# KiCad board Piunora.kicad_pcb (continued)
## Routing (per net, layer and track width the routed paths; a pad name or vN(x,y) marks a point on that pad's centre or on a via; arc(x,y) is an arc through that point) (continued)
SD_DAT1: length 51.3
  Top w0.147: U$13.P8 23.21,15.96 24.41,17.15 30.89,17.15 31.5,17.75 33.22,17.75 34.82,19.35 34.82,37.08 40.06,42.32 43.08,42.32 43.81,41.58 43.81,38.79 44.22,38.38 44.22,34.57 44.4,34.39 U$2.67
SD_DAT2: length 58.8
  Top w0.147: v1(34.26,19.86) 34.26,37.08 39.8,42.62 43.23,42.62 44.09,41.76 44.09,38.96 44.53,38.53 44.53,34.87 44.61,34.79 U$2.69 ; U$13.P1 30.99,15.02 30.99,12.55 33.6,9.93 36.27,9.93 36.65,10.31 v1(36.65,19.71)
  In1.Cu w0.147: v1(34.26,19.86) 34.42,19.71 v1(36.65,19.71)
SD_DAT3: length 58.2
  Top w0.147: U$2.61 44.43,33.19 43.61,34.01 43.61,38.02 43.21,38.43 43.21,41.33 42.8,41.73 40.46,41.73 36.53,37.8 36.53,24.79 38.68,22.64 38.68,20.06 37.03,18.41 37.03,10.25 36.32,9.55 32.99,9.55 30.02,12.53 30.02,14.89 U$13.P2
SDA0: length 57.3
  Top w0.127: v1(31.45,29.26) 31.34,29.16 v1(31.34,19.91) ; v1(33.63,11.18) 34.04,11.58 34.04,16.79 35.61,18.36 v1(35.89,18.36) ; v1(38.11,36.04) 38.22,36.04 39.37,37.19 U$2.82
  In1.Cu w0.127: v1(35.89,18.36) 33.48,18.36 31.93,19.91 v1(31.34,19.91) ; v1(38.11,36.04) 31.45,29.37 v1(31.45,29.26) ; J1.14 18.49,6.53 18.77,6.25 31.7,6.25 33.43,7.98 33.43,10.97 v1(33.63,11.18)
SDA1: length 38.7
  Top w0.127: v1(40.08,32.46) 40.15,32.39 U$2.58 ; v1(40.82,36.09) 40.82,35.18 v1(41.02,34.98) ; R4.2 45.51,56.41 46.33,56.41 47,55.75 CONN1.3 49.03,55.75 49.5,55.27 49.5,52.93 49.23,52.65 v1(48.97,52.65)
  In1.Cu w0.127: v1(41.02,34.98) 40.08,34.04 v1(40.08,32.46) ; v1(48.97,52.65) 48.97,49.07 IOH.2 50.44,47.24 48.97,45.77 48.97,38.76 47.62,37.41 42.14,37.41 v1(40.82,36.09)
TV_OUT: length 28.8
  Top w0.152: v1(14.35,41.91) 14.2,42.06 v1(10.92,42.06) ; U$2.111 10.84,23.19 10.34,22.68 9.75,22.68 9.5,22.94 9.5,24.48 9.68,24.66 9.68,24.66 9.78,24.77 9.78,25.93 9.07,26.64 9.07,27.64 9.65,28.22 9.65,30.58 9.35,30.89 9.35,38.53 v1(10.24,39.42)
  In1.Cu w0.152: v1(14.35,41.91) 16.15,41.91 TP4.P$1 ; v1(10.92,42.06) 10.24,41.38 v1(10.24,39.42)
UIM-CLK: length 64
  Top w0.127: v1(19.99,30.96) 18.36,30.96 v1(18.26,30.86) ; v1(26.77,25.63) 27.4,26.26 v1(27.42,26.24)
  In1.Cu w0.102: 7.26,57.48 6.35,56.57 6.35,51.99
  In1.Cu w0.127: 6.35,51.99 7.95,50.39 10.01,50.39 11.79,48.62 11.79,47.8 13.16,46.43 13.16,35.97 v1(18.26,30.86) ; 6.91,66.57 U$37.C3-1 ; 6.91,66.57 6.91,67.26 7.21,67.56 8.43,67.56 8.74,67.26 8.74,64.31 7.26,62.84 7.26,57.48 ; 6.91,66.57 5.6,66.57 U$37.C3-2 ; v1(19.99,30.96) 24.78,30.96 27.42,28.32 v1(27.42,26.24) ; J2.32 25.17,24.99 25.81,25.63 v1(26.77,25.63)
UIM-DATA: length 47
  Top w0.127: v1(18.49,31.55) 18.49,31.47 v1(20.6,31.47) ; v1(28.04,25.51) 27.94,25.62 27.94,27.08 v1(27.86,27.15)
  In1.Cu w0.127: v1(20.6,31.47) 24.8,31.47 27.86,28.41 v1(27.86,27.15) ; 6.86,55.68 6.86,52.88 8.99,50.75 10.16,50.75 12.14,48.77 12.14,47.98 13.54,46.58 13.54,36.45 18.44,31.55 v1(18.49,31.55) ; J2.34 25.67,24.87 25.99,25.18 27.71,25.18 v1(28.04,25.51)
  In1.Cu w0.152: U$37.C7 6.86,55.68
UIM-PWR: length 59.8
  Top w0.127: v1(29.16,26.17) 29.16,25.7 v1(28.73,25.27) ; v1(18.54,32.99) 18.72,32.82 v1(20.37,32.82)
  In1.Cu w0.127: v1(18.54,32.99) 17.91,32.99 13.87,37.03 13.87,46.76 12.5,48.13 12.5,52.91 10.54,54.86 9.52,54.86 8.77,55.61 U$37.C6 9.42,56.35 9.42,56.67 10.64,57.89 U$37.C1-2 U$37.C1-1 ; J2.36 26.17,24.8 26.29,24.92 28.37,24.92 v1(28.73,25.27) ; v1(29.16,26.17) 29.16,27.74 25.07,31.83 21.36,31.83 v1(20.37,32.82)
UIM-RESET: length 58.5
  Top w0.127: v1(17.42,30.58) 17.68,30.33 v1(19.96,30.33)
  Top w0.152: v1(26.54,28.58) 24.26,26.29 v1(24.26,25.76)
  In1.Cu w0.102: 5.97,57.35 6.15,57.18 6.15,51.71
  In1.Cu w0.127: v1(17.42,30.58) 12.78,35.23 12.78,46.3 11.43,47.65 11.43,48.49 9.83,50.09 7.77,50.09 6.15,51.71 ; v1(19.96,30.33) 24.79,30.33 v1(26.54,28.58) ; 5.97,57.35 5.97,62.53 8.1,64.67 U$37.C2-2
  In1.Cu w0.152: v1(24.26,25.76) 24.26,25.37 24.67,24.96 J2.30
USB2_N: length 34.2
  Top w0.117: IC1.2 34.24,44.87 34.15,44.78 34.15,43.06 26.71,35.62 12.77,21.68 11.71,21.68 11.62,21.59 U$2.103
USB2_P: length 34.2
  Top w0.117: U$2.105 11.62,21.99 11.72,21.89 12.67,21.89 26.56,35.78 26.58,35.82 26.58,35.88 26.56,35.93 26.52,35.97 26.49,36.02 26.49,36.07 26.52,36.12 26.83,36.43 26.88,36.46 26.94,36.46 26.99,36.43 27.02,36.4 27.07,36.37 27.13,36.37 27.18,36.4 33.93,43.15 33.93,44.8 33.84,44.89 IC1.1
USB-SELECT: length 67
  Top w0.127: S1.2 48.89,63.78 v3(48.89,63.22) ; v3(32.66,44.7) 33.14,45.18 IC1.10 ; U$2.101 13.67,21.19 16.41,23.93 16.41,24.21 18.16,25.96 19.27,25.96 35.26,41.95 v3(35.26,42.48) 39.6,46.82 39.6,51.64 44.02,56.06 v3(44.02,56.44)
  In1.Cu w0.127: v3(32.66,44.7) 32.54,44.58 32.54,44.07 33.1,43.51 34.23,43.51 v3(35.26,42.48) ; v3(44.02,56.44) 45.85,56.44 46.41,57 46.41,59.77 47.07,60.43 47.52,60.43 48.89,61.8 v3(48.89,63.22)
~{PCIE_CLK_REQ}: length 37.4
  Top w0.127: v1(29.97,28.33) 30.48,27.83 30.48,25.4 v1(30.3,25.22) ; v1(10.29,21.82) 9.66,21.19 U$2.102 ; v1(14.2,25.65) 14.2,30.73 17.59,34.12 22.4,34.12 v1(22.95,33.56)
  In1.Cu w0.127: v1(14.2,25.65) 10.36,21.82 v1(10.29,21.82) ; J2.52 30.17,25.09 v1(30.3,25.22) ; v1(22.95,33.56) 24.79,33.56 29.97,28.38 v1(29.97,28.33)
~{PCIE_RST}: length 32.7
  Top w0.127: v1(29.88,26.17) 29.95,26.11 29.95,25.53 v1(29.69,25.27) ; v1(22.42,32.69) 21.42,33.7 17.87,33.7 14.91,30.73 14.91,25.5 12.2,22.79 U$2.109
  In1.Cu w0.127: v1(29.88,26.17) 29.88,27.62 24.81,32.69 v1(22.42,32.69) ; v1(29.69,25.27) 29.67,25.25 J2.50
~{PI_LED_ACTIVITY}: length 13.2
  Top w0.127: U$2.21 45.22,25.16 46.31,25.16 48.26,23.22 48.26,19.69 47.7,19.13 v1(47.7,18.8) ; v1(46.28,15.49) 46.28,14.91 R7.1
  In1.Cu w0.127: v1(46.28,15.49) 46.28,15.75 47.7,17.17 v1(47.7,18.8)
~{PWR_LED}: length 44.2
  Top w0.127: v1(47.14,19.46) 47.65,19.96 v1(47.65,21.77) ; IC4.2 43.69,18.16 v1(43.66,18.19) ; v1(50.65,24.66) 51.82,24.66 52.53,25.37 52.53,40.56 52.1,41 49.45,41 49,41.45 49,43.9 48.27,44.63 v1(47.12,44.63) ; v1(46.69,42.21) 46.32,41.85 46.32,40.19 46.11,39.99 U$2.95
  In1.Cu w0.127: v1(50.65,24.66) 49.66,24.66 47.65,22.66 v1(47.65,21.77) ; v1(46.69,42.21) 46.69,44.2 v1(47.12,44.63) ; v1(43.66,18.19) 43.79,18.31 46,18.31 v1(47.14,19.46)
~{RPIBOOT}: length 38.2
  Top w0.127: JP3.2 22.78,45.49 v1(22.99,45.69) ; v1(46.2,39.42) 46.05,39.42 45.88,39.59 U$2.93
  In1.Cu w0.127: v1(46.2,39.42) 46.2,39.95 44.81,41.35 39.12,41.35 34.85,45.62 31.07,45.62 31.06,45.62 23.06,45.62 v1(22.99,45.69)

## Copper pours and planes (outline as drawn; the poured copper is in the pictures)
3.3V on In2.Cu: 60.33,-4.2 -4.9,-4.2 -4.9,72.95 60.33,72.95
+5V on Top: 24.18,55.22 13.49,55.22 13.49,57.48 24.18,57.48
+5V on Top: 46.09,42.74 44.16,42.74 44.16,50.15 46.09,50.15
+5V on Top: 48.35,37.45 46.01,37.45 46.01,36.26 44.79,36.26 44.79,38.54 47.1,38.54 47.1,42.76 45.81,42.76 45.81,43.9 48.35,43.9
+5V on Top: 33.01,56.4 40.78,56.4 40.78,55.18 30.92,55.18 30.92,60.52 33.01,60.52
+5V on Top: 46.06,56.96 44.21,56.96 44.21,60.26 46.06,60.26
+5V on In2.Cu: 58.33,-0.2 37.18,-0.2 37.18,6.82 43.18,6.82 43.18,55.15 -2.82,55.15 -2.82,71.95 58.33,71.95
GND on Top: 54.36,-0.63 -0.76,-0.63 -0.76,69.34 54.36,69.34
GND on Bottom: 56.33,-2.2 -1.82,-2.2 -1.82,70.95 56.33,70.95
GND on In1.Cu: 53.85,-0.13 -0.13,-0.13 -0.13,68.71 53.85,68.71
GND on In2.Cu: 48.21,65.21 46.24,65.21 46.24,68.17 48.21,68.17
GND on In2.Cu: 39.5,65.33 37.68,65.33 37.68,68.02 39.5,68.02
GND on In2.Cu: 3.12,57.78 0.43,57.78 0.43,61.63 3.12,61.63
GND on In2.Cu: 39.48,61.14 37.68,61.14 37.68,63.96 39.48,63.96
GND on In2.Cu: 43.69,32.72 37.85,32.72 42.57,37.44 48.41,37.44
GND on In2.Cu: 2.87,63.91 0.56,63.91 0.56,67.4 2.87,67.4
GND on In2.Cu: 17.35,63.8 15.04,63.8 15.04,67.51 17.35,67.51
GND on In2.Cu: 17.35,57.71 15.04,57.71 15.04,61.62 17.35,61.62
GND on In2.Cu: 37.17,14.09 4.72,14.09 4.72,27.8 37.17,27.8
GND on In2.Cu: 48.17,61.06 46.29,61.06 46.29,63.96 48.17,63.96
GND on In2.Cu: 37.35,44.77 33.75,44.77 33.75,48.4 32.17,48.4 32.17,51.8 37.35,51.8
GND on In2.Cu: 36.02,64.97 34.21,64.97 34.21,67.88 36.02,67.88
GND on In2.Cu: 30.51,44.85 21.14,44.85 21.14,26.31 17.8,26.31 17.8,52.38 21.38,52.38 21.38,53.54 25.78,57.95 30.51,57.95
GND on In2.Cu: 23.06,64.95 21.26,64.95 21.26,67.89 23.06,67.89
GND on In2.Cu: 33.41,5.45 9.01,5.45 9.01,14.41 33.41,14.41
